# Altium PCB LimeSDR_1v2s.PcbDoc (part 3 of 9)
Units mm, origin at the board's own origin, x right, y up, seen from the top; angles counter-clockwise.
Board outline 100 x 60 mm, 12 copper layers (Top, L2, L3, L4, L5, L6, L7, L8, L9, L10, L11, Bottom), stack 1.58 mm thick; 795 components, 584 nets, 3854 pads, 2079 vias.
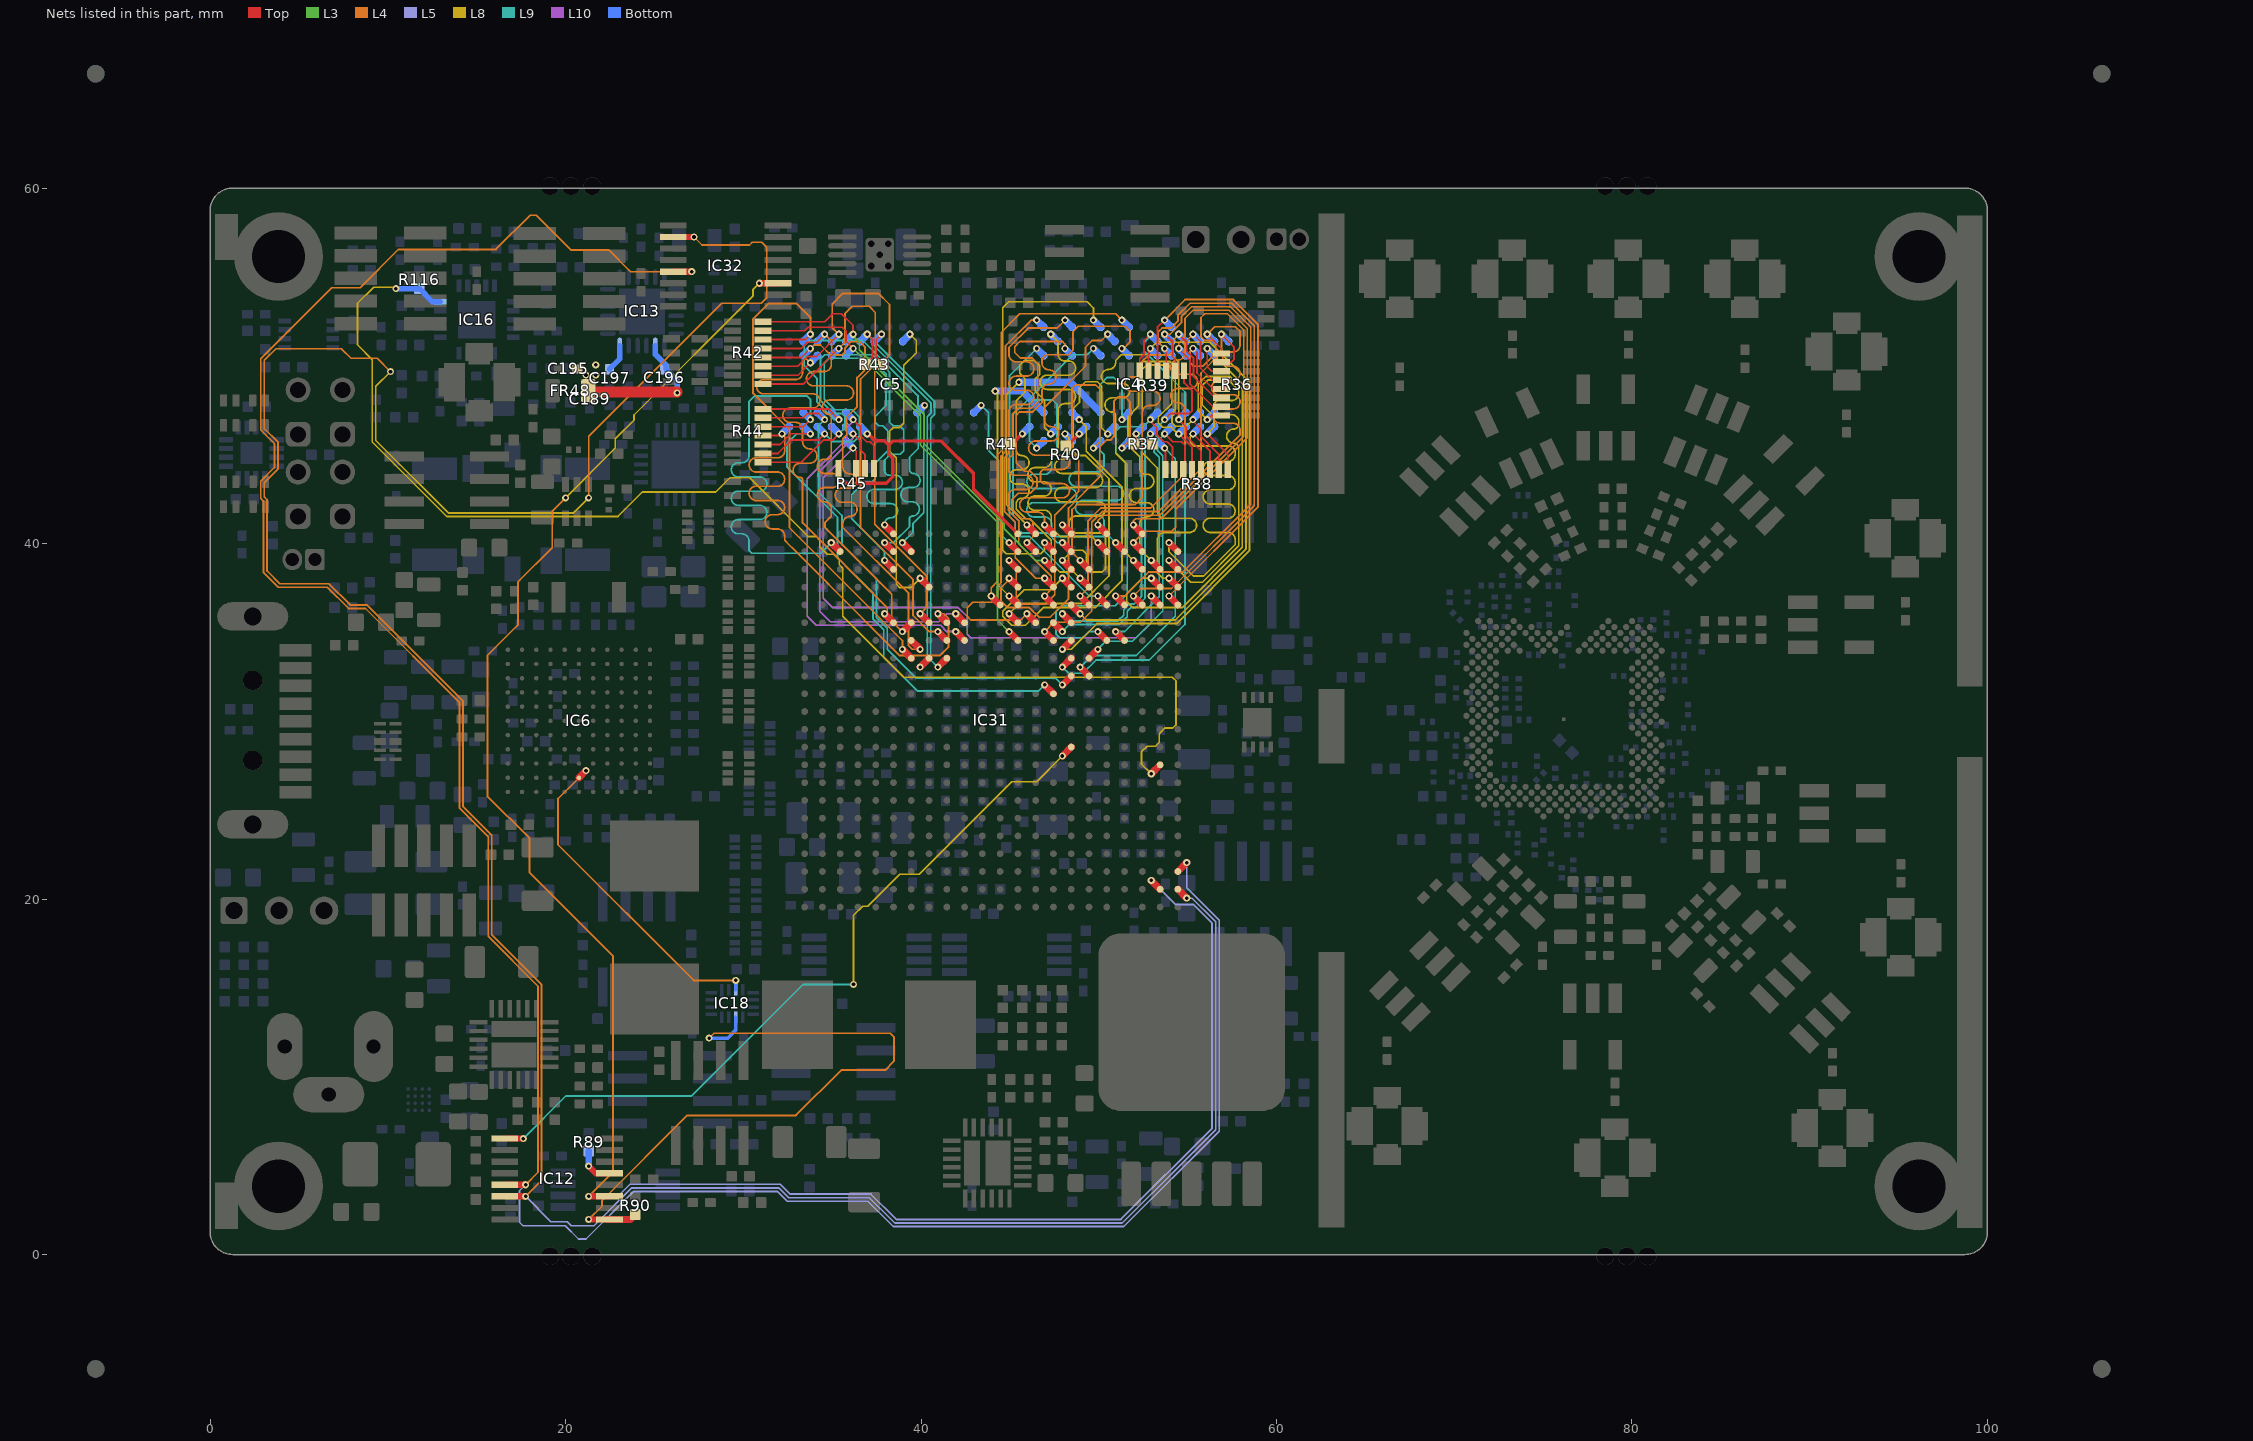
[diagram p13: the nets of this part, all layers, seen from the top]

## Footprints (in the part's own frame and the unit in brackets; to place one, negate y for a bottom-side part, rotate by r counter-clockwise, add the part's x,y. Pads: shape width x height; smd on the part's side, far side on the other; paste and mask are expansions set on the pad) (continued)
TS3A5018PWR [mm] "TSOP, 16-Leads, Body 5,00x4,40mm, Pitch 0,65mm, IPC Medium Density"
  rect 1.5x0.35 smd: 1(-2.95,2.275) 2(-2.95,1.625) 3(-2.95,0.975) 4(-2.95,0.325) 5(-2.95,-0.325) 6(-2.95,-0.975) 7(-2.95,-1.625) 8(-2.95,-2.275) 9(2.95,-2.275) 10(2.95,-1.625) 11(2.95,-0.975) 12(2.95,-0.325) 13(2.95,0.325) 14(2.95,0.975) 15(2.95,1.625) 16(2.95,2.275)
  silkscreen extent -4.17,-2.55 1.85,2.55, body extent -3.2,-2.5 3.2,2.5, height 1.1
USB3A_SM [mm]
  rect 0.7x1.8 smd: 1(-3.05,-1.2) 2(-1.05,-1.2) 3(0.95,-1.2) 4(2.95,-1.2) 5(3.95,-1.2) 6(1.95,-1.2) 7(-0.05,-1.2) 8(-2.05,-1.2) 9(-4.05,-1.2)
  oval 1.6x4 hole 1 slot 2.5 at 90 deg: 10(-5.85,1.2) 10(5.85,1.2)
  round 1.1 hole 1.1 unplated: 11(-2.25,1.2) 11(2.25,1.2)
  silkscreen extent -7.5,-2.55 7,3.6, body extent -6.05,-1.75 5.95,19, height 1.8

## Part data
C1 C2 C3 C4 C5 C6 C7 C8 C9 C10 C11 C12 C13 C14 C15 C16 C17 C18 C19 C20 C21 C22 C23 C24 C25 C26 C27 C28 C29 C30 C31 C32 C33 C34 C35 C36 C37 C38 C39 C40 C41 C42 C43 C44 C45 C46 C47 C48 C49 C50 C51 C52 C53 C54 C55 C56 C57 C58 C59 C60 C61 C62 C63 C64 C65 C66 C67 C68 C69 C70 C71 C72 C73 C74 C75 C76 C77 C78 C79 C80 C101 C102 C126 C127 C132 C181 C182 C183 C184 C185 C186 C187 C188 C189 C190 C191 C192 C193 C194 C195 C196 C197 C198 C199 C201 C202 C203 C204 C205 C206 C207 C208 C209 C210 C211 C212 C213 C214 C215 C216 C219 C220 C221 C225 C226 C227 C228 C229 C230 C236 C237 C240 C242 C243 C244 C248 C249 C250 C251 C252 C253 C254 C257 C258 C259 C261 C262 C263 C264 C265 C268 C269 C270 C271 C272 C273 C274 C278 C279 C297 C302 C309 C314 C319 C324 MN9 MN10 MN11 MN12 MN13 MN14 MN15 MN16 MN23 MN26 MN27 MN28 MN29 MN30 MN31 MN32 MN33 MN35 MN36 MN37 MN39 MN40 MN41 MN42 MN43 MN44 MN45 MN46 MN47 MN48 MN49 MN51 MN52 MN53 MN55 MN56: library part Cap_0402
C81 C82 C83 C84 C86 C87 C88 C89 C92 C93 C94 C95 C96 C97 C98 C99 C100 C103 C104 C106 C107 C108 C109 C111 C112 C113 C114 C117 C118 C119 C120 C121 C122 C123 C124 C125 C128 C129 C130 C131 C133 C134 C135 C136 C137 C138 C139 C140 C141 C142 C143 C144 C145 C146 C147 C148 C149 C150 C151 C152 C153 C154 C155 C156 C157 C158 C159 C160 C161 C162 C163 C164 C165 C166 C167 C168 C169 C170 C171 C172 C173 C174 C175 C176 C177 C178 C179 C180 C200 C217 C218 C222 C223 C224 C231 C232 C233 C234 C235 C238 C239 C241 C247 C255 C256 C260 C275 C276 C277 C280 C281 C282 C283 C284 C285 C286 C287 C288 C289 C290 C291 C292 C293 C295 C296 C298 C300 C301 C303 C304 C307 C308 C310 C312 C313 C315 C317 C318 C320 C322 C323 C325 C326 C327 C328 C329 C330 C331 C332 C333 C334 C335 C336 C337 C338 C339 C340 C341 C342 C343 C344 C345 C346 C347 C348 C349 C350 C351 C352 C353 C354 C355 C356 C357 C358 C359 C360 C361 C362 C363 C364 C365 C366 C367 C368 C369 C370 C371 C372 C373 C374 C375 C376 C377 C378 C379 C380 C381 C382 C383 C384 C385 C386 C387 C388 C389 C390 C391 C392 C393 C394 C395 C396 C397 C398 C399: library part Cap_0603
C85 C90 C91 C110 C115 C116: library part 4X_cap_array_1206
C105 C245 C246 C266 C267 C294 C299 C305 C306 C311 C316 C321: library part Cap_1206
FR36 FR37 FR38 FR39 FR40 FR41 FR42 FR43 FR44 FR45 FR46 FR48 FR49 FR51 FR53 FR54 FR55 FR56 FR57 FR58 FR59 FR60 FR61: library part Ferrite
IC6: "EZ-USB(R) FX3: SuperSpeed USB Controller, 512 KB, 60 I/Os, 0 to 70 degC, 121-Pin FBGA (BZX121)"
IC10: library part MAX7322ATE+
IC12: library part SC18IS602
IC15: "Single 8-Bit nanoDAC with SPI Interface in LFCSP and SC70, 2.7 to 5.5 V, <100 uA, -40 to +125 degC, KS-6, Pb-Free, Reel"
IC30: library part MIC37122
IC31: library part EP4CE40F23C7N, "IC FPGA 328 I/O 484FBGA"
IC33: library part M25P40
J1 J2 J3 J4 J5 J6 J7 J8 J9 J10: library part RF_IF_connector, "CONN UMC RCPT STR 50 OHM SMD"
J12 J17 J18: library part "Header 5X2_SWD", "Header, 5-Pin, Dual row"
J14: library part RF_IF_connector
J15: "Power Connector, THT, 2.1mm ID, 5.5mm OD"
J16: library part Header3P, "Header, 3-pin"
J19 J20: library part Jumper
JMP1: library part JUMP_2P_CONN_HEADER, "Shorting Jumper, 2-position, 1.27mm pitch"
L1 L2 MN1 MN2 MN3 MN4 MN5 MN6 MN7 MN8 MN17 MN18 MN19 MN20 MN21 MN22 MN24 MN25 MN34 MN38 MN50 MN54: library part Inductor_0603
LED1 LED4 LED5 LED8: library part LED_green_red_SMD
LEDS1 LEDS2: library part LEDx2_STANDOFF
MECH1 MECH2 MECH3 MECH4: library part "STANDOFF_M-F_THREADED_M3x8x10mm_HEX_5mm dia", "STANDOFF M/F MET 5MM HEX 10MM L"
R1 R2 R3 R4 R5 R6 R7 R8 R9 R10 R11 R12 R13 R14 R15 R16 R17 R18 R19 R20 R21 R22 R23 R24 R25 R26 R27 R28 R29 R30 R31 R32 R33 R34 R35 R37 R40 R41 R43 R46 R47 R53 R54 R56 R59 R60 R64 R65 R66 R67 R68 R69 R70 R71 R72 R73 R74 R75 R76 R77 R78 R79 R80 R81 R82 R83 R84 R85 R86 R87 R88 R89 R90 R91 R92 R93 R94 R95 R96 R97 R98 R99 R100 R101 R102 R103 R104 R105 R106 R107 R108 R109 R110 R111 R112 R113 R114 R115 R116 R117 R118 R119 R120 R121 R122 R123 R124 R125 R126 R127 R128 R129 R130 R131 R132 R133 R134 R135 R136 R137 R138 R139 R140 R141 R142 R143 R144 R145 R146 R147 R148 R149 R150 R151 R152 R153 R154 R155 R156 R157 R158 R159 R160 R161 R162 R163 R164 R165 R166 R167 R168 R169 R170 R171 R172 R173 R174 R175 R176 R177 R178 R179 R180 R181 R182 R183 R184 R185 R186 R187 R188 R189 R190: library part Res_0402
R36 R38 R39 R42 R44 R45: library part 8X_resistor_array_0402
R48 R49 R50 R51 R52 R55 R57 R58 R61 R62 R63: library part ResArray_0802
SW1: library part Button
T1 T2 T5 T6 T9 T10: library part Balun
T3 T4 T7 T8: library part Balun_v2
VD1: library part DIODE_SCHOTTKY_SOD-523F, "Diode Schottky SMD SOD-523F"
XT1: library part CRYSTAL_19M2, "Oscillator Crystal 19.2 MHz"
XT2: library part RPT7050A
XT3 XT4: library part TXCO
XT5: library part CRYSTAL_19M2, "Oscillator Crystal 25 MHz"

## Free pads (board coordinates)
  round 1 hole 1 unplated: 2(21.5,-0.1) 2(21.5,60.1) 2(78.5,-0.1) 2(78.5,60.1) 3(20.3,-0.1) 3(20.3,60.1) 3(79.7,-0.1) 3(79.7,60.1) 4(19.125,-0.1) 4(19.125,60.1) 4(80.875,-0.1) 4(80.875,60.1)
  rect 1.3x2.6 smd: 5(0.925,2.75) 5(0.925,57.25)
  rect 1.45x15.5 smd mask+0.1: 16(63.1,9.275)
  rect 1.45x4.2 smd mask+0.1: 16(63.1,29.725)
  rect 1.45x15.775 smd mask+0.1: 16(63.1,50.675)
  rect 1.45x26.5 smd mask+0.1: 16(99,14.75) 16(99,45.2)

## Via types
v1: diameter 0.4, hole 0.2, Top to Bottom, tented both sides, 1231 vias
v2: diameter 0.4, hole 0.2, Top to Bottom, tented top, 420 vias
v3: diameter 0.4, hole 0.2, Top to Bottom, 281 vias
v4: diameter 0.35, hole 0.2, Top to Bottom, tented top, 86 vias
v5: diameter 0.35, hole 0.2, Top to Bottom, tented both sides, 41 vias
v6: diameter 0.5, hole 0.2, Top to Bottom, tented both sides, 20 vias

## Nets (pads, with @x,y where several pads share a name; then routed paths per layer and width w, separated by ;. In a path a pad name is that pad's centre, name@x,y a point inside that pad or via, vN(x,y) a via of type N, cw(c..) or ccw(c..) an arc to the next point about the centre after c; other vN are vias at no path point)
+1.8V_DIG_LMK: C189.2 C195.2 C196.2 C197.2 FR48.2 IC13.2 IC13.6 | length 9.8
  Top w0.6: FR48.2@21.275,48.6 21.275,48.525 v1@26.275,48.525
  Bottom w0.3: C197.2@22.475,49.813 23.05,50.388 IC13.6@23.05,51.138 ; IC13.2@25.05,51.138 25.05,50.638 25.65,50.038 25.65,49.813 26.275,49.188 v1(26.275,48.475)
  other v1: 21.15,49.475 21.7,49.475 21.7,50.05
ADF_MUXOUT: IC16.15 IC31.J2 R116.1 | length 75.6
  Top w0.4: v2(52.95,27.05) IC31.J2@53.45,27.55
  L8 w0.1: v1(10.45,54.35) 10.375,54.425 9.2,54.425 8.292,53.517 8.292,51.183 9.125,50.35 9.125,45.717 13.317,41.525 22.942,41.525 24.317,42.9 28.45,42.9 29.25,43.7 30.361,43.7 33.661,40.4 34.095,40.4 34.3,40.195 34.3,39.817 34.717,39.4 35.095,39.4 35.4,39.095 35.4,38.822 35.6,38.622 35.6,35.905 39.03,32.475 54.142,32.475 54.35,32.267 54.35,29.808 54.167,29.625 53.717,29.625 53.4,29.308 53.4,28.808 53.192,28.6 52.722,28.6 52.4,28.278 52.4,27.6 v2(52.95,27.05)
  Bottom w0.309: v1(10.45,54.35) R116.1@11.775,54.35 12.525,53.6 IC16.15@12.95,53.6
BRDG_INT: IC12.9 IC18.10 R90.1 | length 38.2
  Top w0.35: v1(21.3,1.975) IC12.9@22.35,1.975
  Top w0.4: IC12.9@22.35,1.975 IC12.9@22.475,1.975 23.65,1.975 R90.1@23.925,2.25
  L4 w0.1: v1(21.3,1.975) 22.05,2.725 22.05,3.025 26.85,7.825 32.958,7.825 35.508,10.375 37.975,10.375 38.475,10.875 38.475,12.245 38.27,12.45 28.35,12.45 v1(28.075,12.175)
  Bottom w0.2: v1(28.075,12.175) 29.116,12.175 29.575,12.634 IC18.10@29.575,13.35
BRDG_INT_LS: IC6.F2 IC18.3 | length 19.1
  Top w0.4: IC6.F2@20.75,26.825 v2(21.15,27.225)
  L4 w0.1: v2(21.15,27.225) 19.575,25.65 19.575,23.05 27.2,15.425 v1(29.575,15.425)
  Bottom w0.2: IC18.3@29.575,14.9 v1(29.575,15.425)
BRDG_SPI_DUMMY_SS: IC12.13 R89.1 | length 2.2
  Top w0.35: v1(21.3,4.975) 21.7,4.575 IC12.13@22.475,4.575
  Bottom w0.35: v1(21.3,4.975) R89.1@21.3,5.825
BRDG_SPI_FPGA_SS: IC12.1 IC31.K7 | length 43.3
  Top w0.35: IC12.1@16.575,6.525 v1(17.625,6.525)
  Top w0.4: v2(47.95,28.05) IC31.K7@48.45,28.55
  L8 w0.1: v1(36.2,15.2) 36.2,19.078 36.722,19.6 37.005,19.6 38.805,21.4 39.909,21.4 45.109,26.6 46.5,26.6 v2(47.95,28.05)
  L9 w0.1: v1(17.625,6.525) 20.025,8.925 27.091,8.925 33.366,15.2 v1(36.2,15.2)
BRDG_SPI_MISO: IC12.5 IC31.C1 IC32.5 | length 149.8
  Top w0.35: IC12.5@16.7,3.925 v1(17.75,3.925) ; IC32.5@26.05,55.3 v1(27.1,55.3)
  Top w0.4: IC31.C1@54.45,21.55 v2(54.95,22.05)
  L4 w0.1: v1(17.75,3.925) 18.45,4.625 18.45,15.1 15.65,17.9 15.65,23.511 14.025,25.136 14.025,31.066 8.741,36.35 7.791,36.35 6.599,37.542 3.838,37.542 3,38.38 3,42.392 2.85,42.542 2.85,43.509 3.625,44.284 3.625,45.617 2.85,46.392 2.85,50.391 6.85,54.391 8.441,54.391 10.6,56.55 16.08,56.55 18.005,58.475 18.35,58.475 20.3,56.525 22.425,56.525 23.65,55.3 v1(27.1,55.3)
  L5 w0.1: v1(17.75,3.925) 17.4,3.575 17.4,1.83 17.605,1.625 19.975,1.625 20.725,0.875 21.15,0.875 23.825,3.55 31.917,3.55 32.467,3 37.017,3 38.442,1.575 51.408,1.575 56.775,6.942 56.775,18.8 54.95,20.625 v2(54.95,22.05)
BRDG_SPI_MOSI: IC12.6 IC31.B1 IC32.2 | length 166.9
  Top w0.35: IC12.6@16.7,3.275 v1(17.75,3.275) ; IC32.2@26.175,57.25 v1(27.225,57.25)
  Top w0.4: IC31.B1@54.45,20.55 v2(54.95,20.05)
  L4 w0.1: v1(10.15,49.675) 9.4,50.425 7.925,50.425 7.387,50.963 3.705,50.963 3.05,50.308 3.05,46.475 3.825,45.7 3.825,44.201 3.05,43.426 3.05,42.625 3.2,42.475 3.2,38.463 3.921,37.742 6.681,37.742 7.874,36.55 8.824,36.55 14.225,31.149 14.225,25.219 15.85,23.594 15.85,17.983 18.65,15.183 18.65,4.175 v1(17.75,3.275) ; v1(21.3,42.575) 21.3,46.036 28.789,53.525 31,53.525 31.313,53.837 31.313,56.682 31.045,56.95 30.5,56.95 30.35,56.8 27.675,56.8 v1(27.225,57.25)
  L5 w0.1: v1(17.75,3.275) 19.175,1.85 20.1,1.85 20.325,1.625 21.6,1.625 23.725,3.75 32,3.75 32.55,3.2 37.1,3.2 38.525,1.775 51.325,1.775 56.575,7.025 56.575,18.717 55.242,20.05 v2(54.95,20.05)
  L8 w0.1: v1(10.15,49.675) 9.325,48.85 9.325,45.8 13.4,41.725 20.45,41.725 v1(21.3,42.575)
BRDG_SPI_SCLK: IC12.11 IC31.B2 IC32.11 | length 118.3
  Top w0.35: v1(21.3,3.275) IC12.11@22.35,3.275 ; v1(30.9,54.65) IC32.11@31.95,54.65
  Top w0.4: v2(52.95,21.05) IC31.B2@53.45,20.55
  L4 w0.1: v1(20,42.575) 19.25,41.825 19.25,39.775 17.325,37.85 17.325,35.426 15.6,33.701 15.6,25.788 17.975,23.413 17.975,21.483 22.675,16.783 22.675,4.65 v1(21.3,3.275)
  L5 w0.1: v1(21.3,3.275) 22.95,3.275 23.625,3.95 32.083,3.95 32.633,3.4 37.183,3.4 38.608,1.975 51.242,1.975 56.375,7.108 56.375,18.634 55.309,19.7 54.3,19.7 v2(52.95,21.05)
  L8 w0.1: v1(20,42.575) 22.8,45.375 22.8,45.9 23.85,46.95 23.85,47.233 30.55,53.933 30.55,54.3 v1(30.9,54.65)
DDR2_1_A0: IC4.M8 IC31.W1 R38.5 | length 26.5
  Top w0.1: v1(54.5,46.175) 55.25,45.425 R38.5@55.25,44.175
  Top w0.4: v2(53.95,38.05) IC31.W1@54.45,37.55
  L8 w0.1: v2(53.95,38.05) 53.6,38.05 53.3,38.35 53.3,39.425 53.3,39.825 53.3,40.225 cw(c53.7,40.225) 53.7,40.625 55.1,40.625 ccw(c55.1,41.025) 55.5,41.025 ccw(c55.1,41.025) 55.1,41.425 53.7,41.425 cw(c53.7,41.825) 53.3,41.825 53.3,44.25 52.45,45.1 52.45,49.8 52.7,50.05 53.9,50.05 54.1,49.85 54.1,47.87 53.35,47.12 53.35,46.8 53.6,46.55 54.067,46.55 54.442,46.175 v1(54.5,46.175)
  Bottom w0.4: v1(54.5,46.175) IC4.M8@54.9,46.575
DDR2_1_A1: IC4.M3 IC31.AA3 R36.7 | length 27.4
  Top w0.1: v1(54.5,50.975) 55.125,50.35 55.125,49 56.425,47.7 R36.7@56.9,47.7
  Top w0.4: v2(51.95,40.05) IC31.AA3@52.45,39.55
  L4 w0.1: v2(51.95,40.05) 52.6,40.7 54.095,40.7 54.325,40.93 54.325,41.93 58.35,45.955 58.35,52.1 57.325,53.125 55.3,53.125 54.85,52.675 54.85,51.63 54.5,51.28 v1(54.5,50.975)
  Bottom w0.4: v1(54.5,50.975) IC4.M3@54.9,50.575
DDR2_1_A2: IC4.M7 IC31.Y3 R38.4 | length 26.5
  Top w0.1: v1(54.5,46.975) 54.925,46.55 54.925,46.05 55.75,45.225 R38.4@55.75,44.175
  Top w0.4: v2(51.95,39.05) IC31.Y3@52.45,38.55
  L8 w0.1: v2(51.95,39.05) 51.508,39.492 51.508,44.517 50.95,45.075 50.95,47 50.95,47.2 ccw(c50.75,47.2) 50.75,47.4 cw(c50.75,47.8) 50.35,47.8 cw(c50.75,47.8) 50.75,48.2 50.95,48.2 51.35,48.2 ccw(c51.35,48.6) 51.75,48.6 ccw(c51.35,48.6) 51.35,49 50.95,49 50.55,49 cw(c50.55,49.4) 50.15,49.4 cw(c50.55,49.4) 50.55,49.8 ccw(c50.55,50.2) 50.95,50.2 50.95,50.225 50.95,50.3 51.275,50.625 54.075,50.625 54.5,50.2 v1(54.5,46.975)
  Bottom w0.4: v1(54.5,46.975) IC4.M7@54.9,47.375
DDR2_1_A3: IC4.N2 IC31.V6 R36.4 | length 27
  Top w0.1: v1(55.3,51.775) 55.725,51.35 55.725,49.875 56.4,49.2 R36.4@56.9,49.2
  Top w0.4: v2(48.95,37.05) IC31.V6@49.45,36.55
  L4 w0.1: v2(48.95,37.05) 49.4,37.5 49.4,41.291 50.109,42 52.925,42 54.85,43.925 54.85,47.525 ccw(c54.45,47.525) 54.45,47.925 cw(c54.45,48.325) 54.05,48.325 cw(c54.45,48.325) 54.45,48.725 54.85,48.725 55.15,48.725 ccw(c55.15,49.125) 55.55,49.125 ccw(c55.15,49.125) 55.15,49.525 54.85,49.525 54.45,49.525 cw(c54.45,49.925) 54.05,49.925 cw(c54.45,49.925) 54.45,50.325 ccw(c54.45,50.725) 54.85,50.725 54.85,51.125 54.85,51.25 54.85,51.325 v1(55.3,51.775)
  Bottom w0.4: v1(55.3,51.775) IC4.N2@55.7,51.375
DDR2_1_A4: IC4.N8 IC31.AA1 R38.3 | length 26.5
  Top w0.1: v1(55.3,46.175) 56.25,45.225 R38.3@56.25,44.175
  Top w0.4: v2(53.95,40.05) IC31.AA1@54.45,39.55
  L8 w0.1: v2(53.95,40.05) 53.95,39.545 55.32,38.175 55.9,38.175 57.675,39.95 57.675,40.225 ccw(c57.275,40.225) 57.275,40.625 56.275,40.625 cw(c56.275,41.025) 55.875,41.025 cw(c56.275,41.025) 56.275,41.425 57.275,41.425 ccw(c57.275,41.825) 57.675,41.825 ccw(c57.275,41.825) 57.275,42.225 56.275,42.225 cw(c56.275,42.625) 55.875,42.625 cw(c56.275,42.625) 56.275,43.025 57.275,43.025 ccw(c57.275,43.425) 57.675,43.425 ccw(c57.275,43.425) 57.275,43.825 56.275,43.825 cw(c56.275,44.225) 55.875,44.225 cw(c56.275,44.225) 56.275,44.625 57.275,44.625 ccw(c57.275,45.025) 57.675,45.025 57.675,45.125 ccw(c57.315,45.125) 57.315,45.485 55.365,45.485 55.15,45.7 55.15,46.025 v1(55.3,46.175)
  Bottom w0.4: v1(55.3,46.175) IC4.N8@55.7,46.575
DDR2_1_A5: IC4.N3 IC31.AB3 R36.5 | length 27
  Top w0.1: v1(55.3,50.975) 55.525,50.75 55.525,49.6 56.425,48.7 R36.5@56.9,48.7
  Top w0.4: v2(51.95,41.05) IC31.AB3@52.45,40.55
  L4 w0.1: v2(51.95,41.05) 51.95,41.275 52.075,41.4 53.512,41.4 58.15,46.038 58.15,52.017 57.242,52.925 55.955,52.925 55.75,52.72 55.75,51.63 55.955,51.425 56.375,51.425 56.575,51.225 56.575,50.708 55.842,49.975 55.35,49.975 55.125,50.2 55.125,50.8 v1(55.3,50.975)
  Bottom w0.4: v1(55.3,50.975) IC4.N3@55.7,50.575
DDR2_1_A6: IC4.N7 IC31.Y2 R38.2 | length 26.4
  Top w0.1: v1(55.3,46.975) 55.3,46.897 55.73,46.467 55.73,46.05 56.75,45.03 R38.2@56.75,44.175
  Top w0.4: v2(52.95,39.05) IC31.Y2@53.45,38.55
  L8 w0.1: v2(52.95,39.05) 52.3,39.7 52.3,40.3 52.3,40.7 52.3,41.1 cw(c52.7,41.1) 52.7,41.5 ccw(c52.7,41.9) 53.1,41.9 ccw(c52.7,41.9) 52.7,42.3 52.3,42.3 52.125,42.3 cw(c52.125,42.7) 51.725,42.7 cw(c52.125,42.7) 52.125,43.1 52.3,43.1 52.7,43.1 ccw(c52.7,43.5) 53.1,43.5 ccw(c52.7,43.5) 52.7,43.9 52.65,43.9 cw(c52.65,44.25) 52.3,44.25 52.3,44.875 51.65,45.525 51.65,47.15 52.25,47.75 52.25,50.025 52.475,50.25 54,50.25 54.3,49.95 54.3,47.525 54.125,47.35 54.125,46.775 54.3,46.6 54.925,46.6 v1(55.3,46.975)
  Bottom w0.4: v1(55.3,46.975) IC4.N7@55.7,47.375
DDR2_1_A7: IC4.P2 IC31.AB5 R36.1 | length 27
  Top w0.1: v1(56.1,51.775) 56.9,50.975 R36.1@56.9,50.7
  Top w0.4: v2(49.95,41.05) IC31.AB5@50.45,40.55
  L4 w0.1: v2(49.95,41.05) 49.95,41.275 50.275,41.6 53.429,41.6 57.95,46.121 57.95,46.375 ccw(c57.55,46.375) 57.55,46.775 56.823,46.775 cw(c56.823,47.175) 56.423,47.175 cw(c56.823,47.175) 56.823,47.575 57.55,47.575 ccw(c57.55,47.975) 57.95,47.975 ccw(c57.55,47.975) 57.55,48.375 56.75,48.375 cw(c56.75,48.775) 56.35,48.775 cw(c56.75,48.775) 56.75,49.175 57.55,49.175 ccw(c57.55,49.575) 57.95,49.575 ccw(c57.55,49.575) 57.55,49.975 57.368,49.975 cw(c57.368,50.375) 56.968,50.375 cw(c57.368,50.375) 57.368,50.775 57.55,50.775 ccw(c57.55,51.175) 57.95,51.175 57.95,51.575 57.95,51.934 57.684,52.2 56.525,52.2 v1(56.1,51.775)
  Bottom w0.4: v1(56.1,51.775) IC4.P2@56.5,51.375
DDR2_1_A8: IC4.P8 IC31.Y1 R38.1 | length 26.4
  Top w0.1: v1(56.1,46.175) 57.25,45.025 R38.1@57.25,44.175
  Top w0.4: v2(53.95,39.05) IC31.Y1@54.45,38.55
  L8 w0.1: v2(53.95,39.05) 55.175,37.825 55.833,37.825 57.875,39.867 57.875,45.25 57.875,45.373 ccw(c57.598,45.373) 57.598,45.65 cw(c57.598,46.05) 57.198,46.05 cw(c57.598,46.05) 57.598,46.45 ccw(c57.598,46.727) 57.875,46.727 57.875,46.85 ccw(c57.475,46.85) 57.475,47.25 56.823,47.25 cw(c56.823,47.65) 56.423,47.65 cw(c56.823,47.65) 56.823,48.05 57.475,48.05 ccw(c57.475,48.45) 57.875,48.45 57.875,48.634 57.309,49.2 56.125,49.2 55.8,48.875 55.8,47.825 56.475,47.15 56.475,46.55 v1(56.1,46.175)
  Bottom w0.4: v1(56.1,46.175) IC4.P8@56.5,46.575
DDR2_1_A9: IC4.P3 IC31.V7 R36.3 | length 26.5
  Top w0.1: v1(56.1,50.975) 56.1,49.95 56.35,49.7 R36.3@56.9,49.7
  Top w0.4: IC31.V7@48.45,36.55 v2(48.95,36.05)
  L8 w0.1: v2(48.95,36.05) 49.3,35.7 54.3,35.7 58.275,39.675 58.275,48.8 v1(56.1,50.975)
  Bottom w0.4: v1(56.1,50.975) IC4.P3@56.5,50.575
DDR2_1_A10: IC4.M2 IC31.Y6 R36.6 | length 27
  Top w0.1: v1(54.5,51.775) 54.95,51.325 54.95,50.83 55.325,50.455 55.325,49.413 56.538,48.2 R36.6@56.9,48.2
  Top w0.4: v2(48.95,39.05) IC31.Y6@49.45,38.55
  L4 w0.1: v2(48.95,39.05) 48.5,39.5 48.5,41.917 48.783,42.2 52.05,42.2 52.45,42.6 52.45,47.375 cw(c52.85,47.375) 52.85,47.775 53.05,47.775 ccw(c53.05,48.175) 53.45,48.175 ccw(c53.05,48.175) 53.05,48.575 52.45,48.575 51.85,48.575 cw(c51.85,48.975) 51.45,48.975 cw(c51.85,48.975) 51.85,49.375 52.075,49.375 ccw(c52.075,49.75) 52.45,49.75 52.45,50.25 52.8,50.6 53.925,50.6 54.15,50.825 54.15,51.425 v1(54.5,51.775)
  Bottom w0.4: v1(54.5,51.775) IC4.M2@54.9,51.375
DDR2_1_A11: IC4.P7 IC31.W2 R36.8 | length 26.5
  Top w0.1: v1(56.1,46.975) 56.325,47.2 R36.8@56.9,47.2
  Top w0.4: v2(52.95,38.05) IC31.W2@53.45,37.55
  L8 w0.1: v2(52.95,38.05) 52.455,38.05 51.575,37.17 51.575,36.725 51.9,36.4 54.691,36.4 58.075,39.784 58.075,48.717 57.392,49.4 56.025,49.4 55.6,48.975 55.6,47.475 v1(56.1,46.975)
  Bottom w0.4: v1(56.1,46.975) IC4.P7@56.5,47.375
DDR2_1_A12: IC4.R2 IC31.T8 R36.2 | length 27.3
  Top w0.1: R36.2@56.9,50.2 57.45,50.2 57.6,50.35 57.6,51.075 v1(56.9,51.775)
  Top w0.4: v2(46.95,35.05) IC31.T8@47.45,34.55
  L4 w0.1: v2(46.95,35.05) 47.475,35.575 48.97,35.575 49.6,36.205 49.6,37.905 49.6,41.208 50.192,41.8 53.346,41.8 55.75,44.204 55.75,49.6 56.9,50.75 v1(56.9,51.775)
  Bottom w0.4: v1(56.9,51.775) IC4.R2@57.3,51.375
DDR2_1_BA0: IC4.L2 IC31.V4 R39.2 | length 29.4
  Top w0.1: v1(53.7,51.775) 54.15,51.325 54.15,50.525 54.3,50.375 R39.2@54.3,49.725
  Top w0.4: v2(50.95,37.05) IC31.V4@51.45,36.55
  L4 w0.1: v2(50.95,37.05) 51.45,37.05 52.8,38.4 54.734,38.4 58.55,42.216 58.55,52.183 57.408,53.325 55.217,53.325 54.65,52.758 54.65,52.42 54.005,51.775 v1(53.7,51.775)
  Bottom w0.4: v1(53.7,51.775) IC4.L2@54.1,51.375
DDR2_1_BA1: IC4.L3 IC31.V3 R39.3 | length 29.5
  Top w0.1: v1(53.7,50.975) 53.8,50.875 R39.3@53.8,49.725
  Top w0.4: v2(51.95,37.05) IC31.V3@52.45,36.55